# KiCad board [DFR1144][M027.00940](V1.0.0).kicad_pcb (continued)
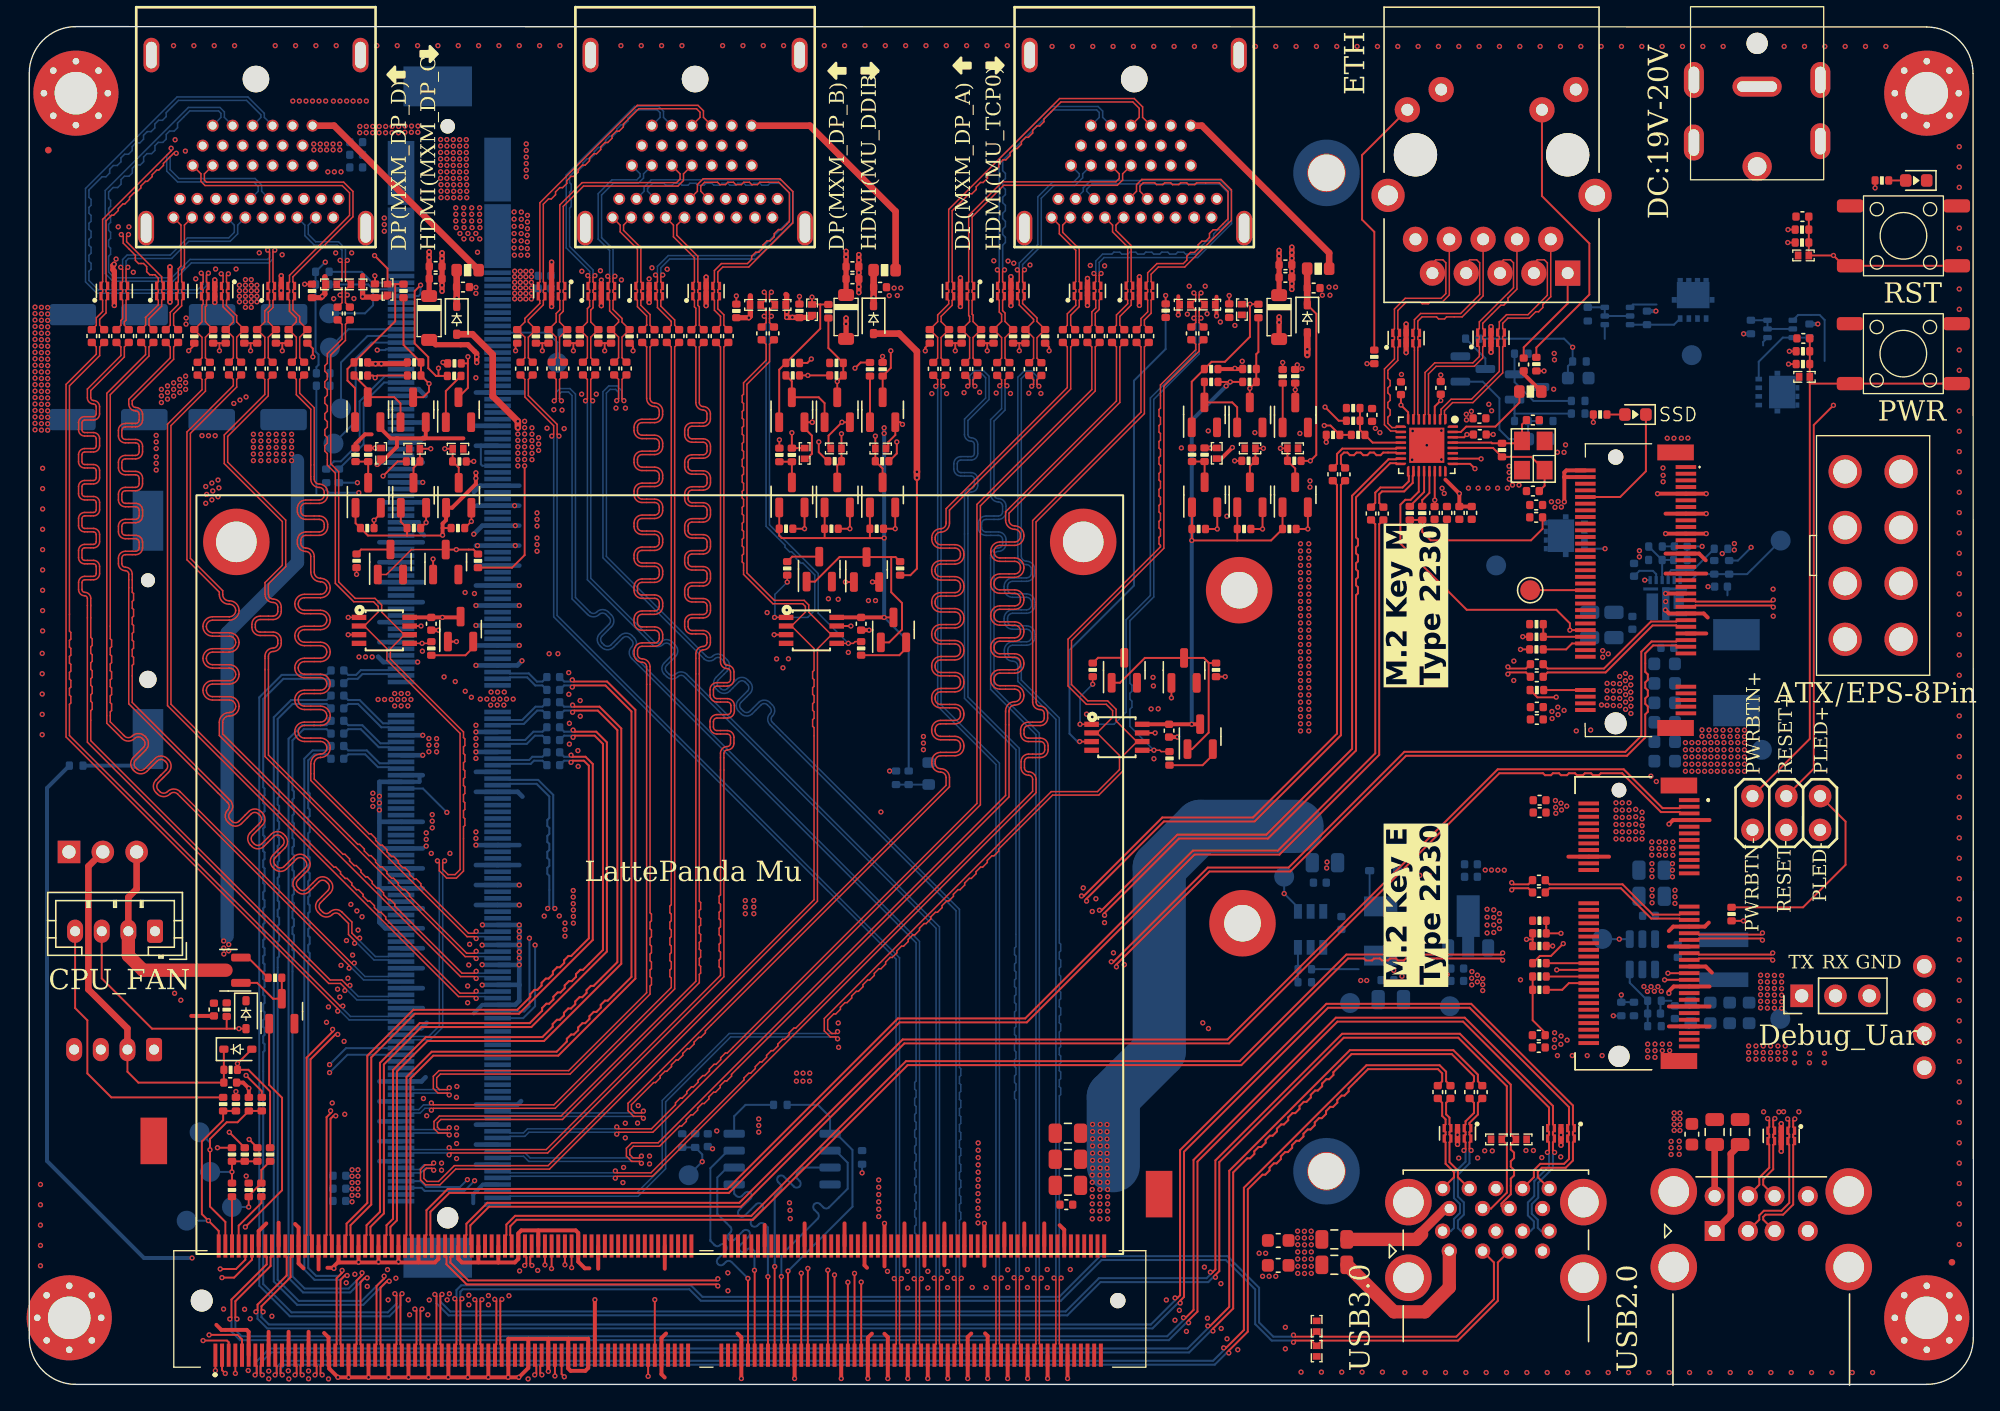
[diagram p0: board, top side]
## Routing (per net, layer and track width the routed paths; a pad name or vN(x,y) marks a point on that pad's centre or on a via; arc(x,y) is an arc through that point) (continued)
/HDMI+DPB/MXM_DPB_TX2_DP: length 97.2
  In1.SIG1 w0.117: C14.1 50.06,77.94 50.06,73.75 arc(50.22,73.36) 50.6,73.2 arc(50.81,73.12) 50.89,72.91 50.89,72.52 arc(50.81,72.32) 50.6,72.24 49.77,72.24 arc(49.38,72.07) 49.22,71.69 49.22,71.33 arc(49.38,70.94) 49.77,70.78 50.61,70.78 arc(50.81,70.69) 50.9,70.49 50.9,70.13 arc(50.81,69.92) 50.61,69.84 49.77,69.84 arc(49.38,69.67) 49.22,69.29 49.22,68.93 arc(49.38,68.54) 49.77,68.38 50.61,68.38 arc(50.81,68.29) 50.9,68.09 50.9,67.73 arc(50.81,67.52) 50.61,67.44 49.77,67.44 arc(49.38,67.27) 49.22,66.89 49.22,66.53 arc(49.38,66.14) 49.77,65.98 50.61,65.98 arc(50.81,65.89) 50.9,65.69 50.9,65.33 arc(50.81,65.12) 50.61,65.04 49.77,65.04 arc(49.38,64.87) 49.22,64.49 49.22,64.13 arc(49.38,63.74) 49.77,63.58 50.61,63.58 arc(50.81,63.49) 50.9,63.29 50.9,62.93 arc(50.81,62.72) 50.61,62.64 49.77,62.64 arc(49.38,62.47) 49.22,62.09 49.22,61.73 arc(49.38,61.34) 49.77,61.18 50.61,61.18 arc(50.81,61.09) 50.9,60.89 50.9,60.53 arc(50.81,60.32) 50.61,60.24 49.77,60.24 arc(49.38,60.07) 49.22,59.69 49.22,59.33 arc(49.38,58.94) 49.77,58.78 50.61,58.78 arc(50.81,58.69) 50.9,58.49 50.9,58.13 arc(50.81,57.92) 50.61,57.84 49.77,57.84 arc(49.38,57.67) 49.22,57.29 49.22,56.93 arc(49.38,56.54) 49.77,56.38 50.6,56.38 arc(50.81,56.29) 50.89,56.09 50.89,55.72 arc(50.81,55.52) 50.6,55.44 arc(50.22,55.28) 50.06,54.89 50.06,30.28 39.94,20.16 30.8,20.16 30.39,19.75 30.39,19.21 30.72,18.88 31.4,18.88 v1(31.54,18.74)
  In8.SIG4 w0.117: J11.260 28.75,18.76 28.87,18.88 31.4,18.88 v1(31.54,18.74)
/HDMI+DPB/MXM_DPB_TX3_DN: length 83.4
  In1.SIG1 w0.117: C17.1 51.91,77.94 51.91,54.28 arc(52.06,53.92) 52.41,53.77 arc(52.59,53.7) 52.66,53.52 52.66,52.97 arc(52.59,52.79) 52.41,52.72 51.64,52.72 arc(51.27,52.56) 51.12,52.19 51.12,51.78 arc(51.27,51.41) 51.64,51.26 52.43,51.26 arc(52.62,51.18) 52.69,50.99 52.69,50.58 arc(52.62,50.39) 52.43,50.32 51.64,50.32 arc(51.27,50.16) 51.12,49.79 51.12,49.38 arc(51.27,49.01) 51.64,48.86 52.41,48.86 arc(52.59,48.79) 52.66,48.61 52.66,48.17 arc(52.59,47.99) 52.41,47.92 arc(52.06,47.77) 51.91,47.41 51.91,36.77 51.8,36.67 51.8,36.17 51.91,36.07 51.91,35.57 51.8,35.47 51.8,34.97 51.91,34.87 51.91,34.37 51.8,34.27 51.8,33.77 51.91,33.67 51.91,33.17 51.8,33.07 51.8,32.57 51.91,32.47 51.91,31.97 51.8,31.87 51.8,31.37 51.91,31.27 51.91,30.73 38.82,17.64 31.67,17.64 v1(31.53,17.78)
  In8.SIG4 w0.117: J11.264 28.75,17.76 28.87,17.64 31.39,17.64 v1(31.53,17.78)
/HDMI+DPB/MXM_DPB_TX3_DP: length 83.4
  In1.SIG1 w0.117: v1(31.53,17.24) 31.67,17.38 38.93,17.38 52.16,30.62 52.16,47.41 arc(52.24,47.59) 52.41,47.66 arc(52.77,47.81) 52.92,48.17 52.92,48.61 arc(52.77,48.97) 52.41,49.12 51.64,49.12 arc(51.46,49.19) 51.38,49.38 51.38,49.79 arc(51.46,49.98) 51.64,50.06 52.43,50.06 arc(52.8,50.21) 52.95,50.58 52.95,50.99 arc(52.8,51.36) 52.43,51.52 51.64,51.52 arc(51.46,51.59) 51.38,51.78 51.38,52.19 arc(51.46,52.38) 51.64,52.46 52.41,52.46 arc(52.77,52.61) 52.92,52.97 52.92,53.52 arc(52.77,53.88) 52.41,54.03 arc(52.24,54.1) 52.16,54.28 52.16,77.94 C16.1
  In8.SIG4 w0.117: v1(31.53,17.24) 31.39,17.38 28.87,17.38 28.75,17.26 J11.266
/HDMI+DPB/TMDS_1_CK+: length 30.1
  In1.SIG1 w0.117: U11.H10 50.37,95.18 50.37,95.57 50.11,95.83 45.77,95.83 44.61,94.67 44.61,94.46 44.29,94.14 44.08,94.14 43.76,93.82 43.76,93.62 43.44,93.3 43.24,93.3 42.92,92.98 42.92,92.77 42.59,92.45 42.39,92.45 42.07,92.13 42.07,91.92 41.75,91.6 41.54,91.6 41.22,91.28 41.22,91.07 40.9,90.75 40.69,90.75 40.37,90.43 40.37,90.22 40.05,89.9 39.84,89.9 39.52,89.58 39.52,89.37 39.2,89.05 38.99,89.05 38.6,88.66 38.6,82.82 38.72,82.7 U12.4 38.72,82.33 38.6,82.21 38.6,82.05 38.72,81.93 U12.7 38.72,81.55 38.6,81.43 38.6,81.1 37.48,79.98 37.48,79.81 R96.1 37.48,78.67 37.48,77.12 C77.2
/HDMI+DPB/TMDS_1_CK-: length 30.1
  In1.SIG1 w0.117: U11.H12 50.63,95.18 50.63,95.67 50.22,96.09 45.66,96.09 38.34,88.77 38.34,82.82 38.22,82.7 U12.5 38.22,82.33 38.34,82.21 38.34,82.05 38.22,81.93 U12.6 38.22,81.55 38.34,81.43 38.34,81.21 37.22,80.08 37.22,79.81 R95.1 37.22,78.67 37.22,77.12 C78.2
/HDMI+DPB/TMDS_1_D0+: length 23.8
  In1.SIG1 w0.117: U11.H7 48.87,90.94 48.87,90.54 48.61,90.28 41.52,90.28 39.84,88.61 39.84,82.82 39.72,82.7 U12.2 39.72,82.33 39.84,82.21 39.84,82.05 39.72,81.93 U12.9 39.72,81.55 39.84,81.43 39.84,80.73 39.57,80.45 39.57,79.81 R98.1 39.57,78.67 39.57,77.12 C75.2
/HDMI+DPB/TMDS_1_D0-: length 23.8
  In1.SIG1 w0.117: U11.H9 49.13,90.94 49.13,90.44 48.71,90.02 41.62,90.02 40.1,88.5 40.1,82.82 40.22,82.7 U12.1 40.22,82.33 40.1,82.21 40.1,82.05 40.22,81.93 U12.10 40.22,81.55 40.1,81.43 40.1,80.62 39.82,80.34 39.82,79.81 R97.1 39.82,78.67 39.82,77.12 C76.2
/HDMI+DPB/TMDS_1_D1+: length 26.7
  In1.SIG1 w0.117: v1(42.48,83.3) 42.34,83.16 42.34,82.82 42.46,82.7 U13.9 42.46,82.33 42.34,82.21 42.34,82.05 42.46,81.93 U13.2 42.46,81.55 42.34,81.43 42.34,80.88 42.17,80.71 42.17,79.81 R156.1 42.17,78.67 42.17,77.12 C73.2
  In8.SIG4 w0.117: v1(42.48,83.3) 42.34,83.44 42.34,83.72 40.58,85.48 40.58,88.37 40.69,88.48 40.69,88.97 40.58,89.08 40.58,89.57 40.69,89.68 40.69,90.17 40.58,90.28 40.58,90.76 41.05,91.22 41.27,91.22 41.58,91.54 41.58,91.76 41.89,92.07 42.12,92.07 42.43,92.38 42.43,92.61 42.74,92.92 42.97,92.92 43.28,93.23 43.28,93.46 43.59,93.77 43.82,93.77 44.13,94.08 44.13,94.31 44.44,94.62 44.67,94.62 44.98,94.93 44.98,95.16 45.57,95.75 47.16,95.75 47.37,95.54 47.37,95.18 U11.H4
/HDMI+DPB/TMDS_1_D1-: length 26.7
  In1.SIG1 w0.117: v1(41.94,83.3) 42.08,83.16 42.08,82.82 41.96,82.7 U13.10 41.96,82.33 42.08,82.21 42.08,82.05 41.96,81.93 U13.1 41.96,81.55 42.08,81.43 42.08,80.99 41.91,80.82 41.91,79.81 R155.1 41.91,78.67 41.91,77.12 C74.2
  In8.SIG4 w0.117: v1(41.94,83.3) 42.08,83.44 42.08,83.62 40.32,85.38 40.32,90.86 45.46,96 47.27,96 47.63,95.64 47.63,95.18 U11.H6
/HDMI+DPB/TMDS_1_D2+: length 19
  In1.SIG1 w0.117: v1(43.44,83.25) 43.58,83.11 43.58,82.82 43.46,82.7 U13.7 43.46,82.33 43.58,82.21 43.58,82.05 43.46,81.93 U13.4 43.46,81.55 43.58,81.43 43.58,80.65 44.26,79.97 44.26,79.81 R159.1 44.26,78.67 44.26,77.13 C71.2
  In8.SIG4 w0.117: U11.H1 45.87,90.94 45.87,90.73 45.63,90.49 43.76,90.49 42.72,89.45 42.72,86.04 43.58,85.18 43.58,83.39 v1(43.44,83.25)
/HDMI+DPB/TMDS_1_D2-: length 19
  In1.SIG1 w0.117: v1(43.98,83.25) 43.84,83.11 43.84,82.82 43.96,82.7 U13.6 43.96,82.33 43.84,82.21 43.84,82.05 43.96,81.93 U13.5 43.96,81.55 43.84,81.43 43.84,80.75 44.51,80.08 44.51,79.81 R158.1 44.51,78.67 44.51,77.13 C72.2
  In8.SIG4 w0.117: U11.H3 46.13,90.94 46.13,90.63 45.74,90.23 43.86,90.23 42.98,89.35 42.98,86.14 43.84,85.28 43.84,83.39 v1(43.98,83.25)
/HDMI+DPB/TMDS_1_HPD: length 27
  In1.SIG1 w0.15: v1(57.27,71.49) R99.2 D17.2
  In6.SIG3 w0.15: U11.H19 57.44,91.56 59.36,89.64 59.36,73.58 v1(57.27,71.49)
/HDMI+DPB/TMDS_1_SCL: length 31
  In1.SIG1 w0.15: v1(60.99,71.42) D16.2 61,70.31 R157.2 60.68,69.03 Q16.3
  In6.SIG3 w0.15: U11.H15 53.49,92.3 57.12,92.3 59.66,89.76 59.66,72.75 v1(60.99,71.42)
/HDMI+DPB/TMDS_1_SDA: length 33
  In1.SIG1 w0.15: Q17.3 64.08,68.81 R160.2 D18.2 63.54,70.31 v1(63.54,71.24) 63.54,71.3
  In6.SIG3 w0.15: v1(63.54,71.24) 63.54,71.24 59.96,74.82 59.96,89.89 56.04,93.81 53.5,93.81 U11.H16
/HDMI+DPD/ACT_DONGLE_DET_DPD: length 16
  In1.SIG1 w0.117: Q31.3 28.69,62.71 26.82,60.84 Q29.1
  In1.SIG1 w0.15: v1(32.08,55.8) Q30.1 ; R133.2 33.36,62.71 v1(32.07,62.71) Q31.3
  In3.SIG2 w0.15: v1(32.08,55.8) 32.08,62.71
/HDMI+DPD/ACT_DONGLE_DET_DPD_N: length 50.4
  In1.SIG1 w0.15: v1(20.68,82.65) 21.22,82.65 R123.1 ; U23.7 v1(29.42,56.97) 29.42,56.97 ; Q31.1 30.33,62 v1(30.32,62) ; v1(23.95,56.32) 23.95,56.32 U23.3
  In3.SIG2 w0.15: U26.D13 18.82,86.25 20.68,84.39 v1(20.68,82.65) ; v1(23.95,56.32) 28.77,56.32 28.77,56.32 v1(29.42,56.97) 30.32,57.87 v1(30.32,62)
  In6.SIG3 w0.15: v1(20.68,82.65) 26.76,82.65 27.31,82.1 27.31,72.61 25.08,70.38 25.08,67.25 v1(30.32,62)
/HDMI+DPD/DPD_AUX+: length 45.3
  In1.SIG1 w0.117: U23.1 23.95,57.62 ; R131.1 v1(24.58,60.85) ; v1(23.34,84.44) 23.49,84.3 23.49,83.04 D26.2 23.49,82.23 23.49,81.98 v1(23.34,81.84) 23.49,81.7 23.49,81.26 ; 23.16,80.93 23.49,81.26
  In6.SIG3 w0.117: v1(23.34,81.84) 23.49,81.7 23.49,79.27 23.37,79.15 23.37,78.67 23.49,78.55 23.49,78.07 23.37,77.95 23.37,77.47 23.49,77.35 23.49,76.87 23.37,76.75 23.37,76.27 23.49,76.15 23.49,75.67 23.37,75.55 23.37,75.07 23.49,74.95 23.49,64.89 28.14,60.23 28.14,57.9 27.86,57.62 v1(23.95,57.62) 23.95,60.22 v1(24.58,60.85)
  In8.SIG4 w0.117: U26.D15 20.69,87.09 20.69,86.3 21.41,85.58 23.12,85.58 23.49,85.21 23.49,84.58 v1(23.34,84.44)
/HDMI+DPD/DPD_AUX-: length 40.1
  In1.SIG1 w0.117: U23.5 v1(29.5,55.67) 30.07,55.67 R132.1 ; v1(23.88,84.44) 23.74,84.3 23.74,83.04 D25.2 23.74,82.23 23.74,81.98 v1(23.88,81.84) 23.74,81.7 23.74,81.26 C124.2
  In6.SIG3 w0.117: v1(23.88,81.84) 23.74,81.7 23.74,65 28.4,60.34 28.4,56.77 v1(29.5,55.67)
  In8.SIG4 w0.117: U26.D17 20.95,87.09 20.95,86.4 21.51,85.84 23.22,85.84 23.74,85.32 23.74,84.58 v1(23.88,84.44)
/HDMI+DPD/DPD_D0+: length 9.3
  In1.SIG1 w0.117: U26.D1 11.39,87.09 11.39,84.02 11.19,83.81 11.19,82.84 11.06,82.72 U19.7 11.06,82.34 11.19,82.22 11.19,82.07 11.06,81.94 U19.4 11.06,81.57 11.19,81.45 11.19,81.13 10.58,80.53 10.58,79.57 C115.2
/HDMI+DPD/DPD_D0-: length 9.3
  In1.SIG1 w0.117: C116.2 10.84,79.57 10.84,80.42 11.44,81.02 11.44,81.45 11.56,81.57 U19.5 11.56,81.94 11.44,82.07 11.44,82.22 11.56,82.34 U19.6 11.56,82.72 11.44,82.84 11.44,83.7 11.65,83.91 11.65,87.09 U26.D3
/HDMI+DPD/DPD_D1+: length 25
  In1.SIG1 w0.117: v1(6.91,86.38) 7.05,86.24 7.05,85.74 7.97,84.82 7.97,84.63 7.97,84.63 7.97,84.44 8.2,84.21 8.39,84.21 8.39,84.21 8.58,84.21 8.82,83.97 8.82,83.78 8.81,83.78 8.81,83.59 9.05,83.36 9.24,83.36 9.43,83.36 9.69,83.1 9.69,82.84 9.56,82.72 U19.10 9.56,82.34 9.69,82.22 9.69,82.07 9.56,81.94 U19.1 9.56,81.57 9.69,81.45 9.69,81.11 8.73,80.15 8.73,79.57 C117.2
  In6.SIG3 w0.117: U26.D4 13.19,89.63 13.19,90.03 12.88,90.34 12.06,90.34 11.8,90.08 11.46,90.08 11.2,90.34 10.86,90.34 10.6,90.08 10.26,90.08 10,90.34 9.66,90.34 9.4,90.08 9.06,90.08 8.8,90.34 8.06,90.34 7.51,89.79 7.51,89.42 7.27,89.18 6.9,89.18 6.66,88.94 6.66,88.57 6.42,88.33 6.05,88.33 5.63,87.91 5.63,87.19 5.84,86.98 5.84,86.59 5.63,86.38 5.63,85.86 5.97,85.52 6.8,85.52 7.05,85.77 7.05,86.24 v1(6.91,86.38)
/HDMI+DPD/DPD_D1-: length 25
  In1.SIG1 w0.117: C118.2 8.99,79.57 8.99,80.05 9.94,81 9.94,81.45 10.06,81.57 U19.2 10.06,81.94 9.94,82.07 9.94,82.22 10.06,82.34 U19.9 10.06,82.72 9.94,82.84 9.94,83.21 7.31,85.84 7.31,86.24 v1(7.45,86.38)
  In6.SIG3 w0.117: v1(7.45,86.38) 7.31,86.24 7.31,85.67 6.9,85.26 5.87,85.26 5.37,85.76 5.37,88.01 7.96,90.6 12.98,90.6 13.45,90.13 13.45,89.63 U26.D6
/HDMI+DPD/DPD_D2+: length 16.4
  In1.SIG1 w0.117: C119.2 6.88,79.57 6.88,79.92 7.01,80.05 7.01,81.45 6.89,81.57 U20.4 6.89,81.94 7.01,82.07 7.01,82.22 6.89,82.34 U20.7 6.89,82.72 7.01,82.84 7.01,83.78 v1(6.87,83.92)
  In8.SIG4 w0.117: U26.D7 15.39,87.09 15.39,86.54 14.98,86.13 11.88,86.13 10.59,84.84 7.34,84.84 7.01,84.51 7.01,84.06 v1(6.87,83.92)
/HDMI+DPD/DPD_D2-: length 16.4
  In1.SIG1 w0.117: C120.2 7.14,79.57 7.14,79.82 7.27,79.95 7.27,81.45 7.39,81.57 U20.5 7.39,81.94 7.27,82.07 7.27,82.22 7.39,82.34 U20.6 7.39,82.72 7.27,82.84 7.27,83.78 v1(7.41,83.92)
  In8.SIG4 w0.117: v1(7.41,83.92) 7.27,84.06 7.27,84.4 7.45,84.58 10.69,84.58 11.98,85.87 15.09,85.87 15.65,86.44 15.65,87.09 U26.D9
/HDMI+DPD/DPD_D3+: length 26.7
  In1.SIG1 w0.117: v1(10.65,92.87) 10.65,92.67 5.51,87.52 5.51,82.84 5.39,82.72 U20.10 5.39,82.34 5.51,82.22 5.51,82.07 5.39,81.94 U20.1 5.39,81.57 5.51,81.45 5.51,80.6 5.03,80.12 5.03,79.57 C121.2
  In8.SIG4 w0.117: U26.D10 17.19,89.63 17.19,90 16.86,90.33 11.14,90.33 10.32,91.15 10.32,92.33 10.65,92.67 v1(10.65,92.87)
/HDMI+DPD/DPD_D3-: length 26.7
  In1.SIG1 w0.117: C122.2 5.29,79.57 5.29,80.01 5.77,80.49 5.77,81.45 5.89,81.57 U20.2 5.89,81.94 5.77,82.07 5.77,82.22 5.89,82.34 U20.9 5.89,82.72 5.77,82.84 5.77,87.41 6.18,87.83 6.33,87.83 6.68,88.18 6.68,88.33 7.03,88.68 7.18,88.68 7.53,89.03 7.53,89.18 7.88,89.53 8.03,89.53 8.38,89.88 8.38,90.03 8.73,90.38 8.87,90.38 9.23,90.73 9.23,90.87 9.58,91.23 9.72,91.23 10.07,91.58 10.07,91.72 10.84,92.48 v1(11.04,92.48)
  In8.SIG4 w0.117: U26.D12 17.45,89.63 17.45,90.1 16.96,90.59 11.24,90.59 10.58,91.25 10.58,92.23 10.84,92.48 v1(11.04,92.48)
/HDMI+DPD/DPD_HPD: length 22.6
  In1.SIG1 w0.15: 27.48,82.65 27.48,79.87 24.39,76.78 R122.1 23.9,76.28 23.9,75.41 24.47,74.84 Q22.1 ; 27.48,82.65 D27.2 26.9,83.83 v1(25.93,84.8) ; 27.48,82.65 28.1,82.65 R103.2
  In3.SIG2 w0.15: v1(25.93,84.8) 25.09,84.8 24.08,85.81 24.08,87.54 23.28,88.34 22.65,88.34 U26.D18
/HDMI+DPD/MXM_DPC_HPD: length 51.8
  In1.SIG1 w0.15: Q7.2 26.4,65.43 v1(25.89,64.92) R28.2
  In3.SIG2 w0.15: v1(22.55,24.02) 20.28,26.29 20.28,59.31 v1(25.89,64.92)
  In8.SIG4 w0.15: J11.234 23.79,25.26 v1(22.55,24.02)
/HDMI+DPD/MXM_DPC_SCL: length 47.5
  In1.SIG1 w0.15: Q8.2 v1(29.8,64.74) R29.2
  In3.SIG2 w0.15: v1(29.8,64.74) 30.36,65.3 33.33,65.3 37.99,60.65 v1(37.99,33)
  In8.SIG4 w0.15: v1(37.99,33) 37.99,28.41 37.09,27.51 J11.225
/HDMI+DPD/MXM_DPC_SDA: length 42.5
  In1.SIG1 w0.15: Q19.2 v1(33.2,64.83) R27.2
  In3.SIG2 w0.15: v1(33.2,64.83) 37.56,60.47 v1(37.56,33.52)
  In8.SIG4 w0.15: J11.223 37.17,28.01 37.56,28.4 v1(37.56,33.52)
/HDMI+DPD/MXM_DPC_TX0+: length 76.3
  In1.SIG1 w0.117: v1(33.56,33.49) 33.42,33.63 32.88,33.63 21.14,45.37 21.14,46.63 arc(21.35,47.14) 21.87,47.35 21.87,47.35 arc(22.2,47.49) 22.34,47.83 arc(22.2,48.16) 21.87,48.3 20.67,48.3 arc(20.15,48.51) 19.94,49.03 arc(20.15,49.54) 20.67,49.75 21.87,49.75 arc(22.2,49.89) 22.34,50.23 arc(22.2,50.56) 21.87,50.7 20.67,50.7 arc(20.15,50.91) 19.94,51.43 arc(20.15,51.94) 20.67,52.15 21.87,52.15 arc(22.2,52.29) 22.34,52.63 arc(22.2,52.96) 21.87,53.1 20.67,53.1 arc(20.15,53.31) 19.94,53.83 arc(20.15,54.34) 20.67,54.55 21.87,54.55 arc(22.2,54.69) 22.34,55.03 arc(22.2,55.36) 21.87,55.5 20.67,55.5 arc(20.15,55.71) 19.94,56.23 arc(20.15,56.74) 20.67,56.95 21.87,56.95 arc(22.2,57.09) 22.34,57.43 arc(22.2,57.76) 21.87,57.9 20.67,57.9 arc(20.15,58.11) 19.94,58.63 arc(20.15,59.14) 20.67,59.35 21.87,59.35 arc(22.2,59.49) 22.34,59.83 arc(22.2,60.16) 21.87,60.3 21.87,60.3 arc(21.35,60.51) 21.14,61.03 21.14,62.2 arc(21.03,62.46) 20.76,62.57 arc(20.32,62.76) 20.13,63.2 20.13,63.41 arc(20.32,63.85) 20.76,64.04 21.77,64.04 arc(22.04,64.15) 22.15,64.42 22.15,64.6 arc(22.04,64.87) 21.77,64.98 20.76,64.98 arc(20.31,65.17) 20.13,65.62 20.13,65.8 arc(20.31,66.25) 20.76,66.44 21.77,66.44 arc(22.04,66.55) 22.15,66.81 22.15,67.01 arc(22.04,67.27) 21.77,67.38 arc(21.33,67.57) 21.14,68.01 21.14,73.26 20.05,74.35 20.05,75.5 C83.1
  In8.SIG4 w0.117: J11.201 34.35,33.51 34.22,33.63 33.7,33.63 v1(33.56,33.49)
/HDMI+DPD/MXM_DPC_TX0-: length 76.3
  In1.SIG1 w0.117: C107.1 20.31,75.5 20.31,74.45 21.4,73.36 21.4,68.01 arc(21.51,67.75) 21.77,67.64 arc(22.22,67.45) 22.41,67.01 22.41,66.81 arc(22.22,66.37) 21.77,66.18 20.76,66.18 arc(20.5,66.07) 20.39,65.8 20.39,65.62 arc(20.5,65.35) 20.76,65.24 21.77,65.24 arc(22.22,65.05) 22.41,64.6 22.41,64.42 arc(22.22,63.97) 21.77,63.78 20.76,63.78 arc(20.5,63.67) 20.39,63.41 20.39,63.2 arc(20.5,62.94) 20.76,62.83 arc(21.21,62.64) 21.4,62.2 21.4,61.03 arc(21.53,60.69) 21.87,60.55 21.87,60.55 arc(22.39,60.34) 22.6,59.83 arc(22.39,59.31) 21.87,59.1 20.67,59.1 arc(20.33,58.96) 20.19,58.63 arc(20.33,58.29) 20.67,58.15 21.87,58.15 arc(22.39,57.94) 22.6,57.43 arc(22.39,56.91) 21.87,56.7 20.67,56.7 arc(20.33,56.56) 20.19,56.23 arc(20.33,55.89) 20.67,55.75 21.87,55.75 arc(22.39,55.54) 22.6,55.03 arc(22.39,54.51) 21.87,54.3 20.67,54.3 arc(20.33,54.16) 20.19,53.83 arc(20.33,53.49) 20.67,53.35 21.87,53.35 arc(22.39,53.14) 22.6,52.63 arc(22.39,52.11) 21.87,51.9 20.67,51.9 arc(20.33,51.76) 20.19,51.43 arc(20.33,51.09) 20.67,50.95 21.87,50.95 arc(22.39,50.74) 22.6,50.23 arc(22.39,49.71) 21.87,49.5 20.67,49.5 arc(20.33,49.36) 20.19,49.03 arc(20.33,48.69) 20.67,48.55 21.87,48.55 arc(22.39,48.34) 22.6,47.83 arc(22.39,47.31) 21.87,47.1 21.87,47.1 arc(21.53,46.96) 21.4,46.63 21.4,45.48 25.52,41.36 25.66,41.36 26.01,41.01 26.01,40.86 26.36,40.51 26.51,40.51 26.86,40.16 26.86,40.01 27.21,39.66 27.36,39.66 27.71,39.31 27.71,39.16 28.06,38.81 28.21,38.81 28.56,38.46 28.56,38.32 28.91,37.96 29.06,37.96 29.41,37.61 29.41,37.47 32.98,33.89 33.42,33.89 v1(33.56,34.03)
  In8.SIG4 w0.117: J11.199 34.35,34.01 34.22,33.89 33.7,33.89 v1(33.56,34.03)
/HDMI+DPD/MXM_DPC_TX1+: length 60.4
  In1.SIG1 w0.117: C108.1 17.69,75.49 17.69,74.37 14.64,71.32 14.64,69.18 19,64.82 19,61.53 17.7,60.23 17.7,59.35 arc(17.88,58.92) 18.31,58.74 arc(18.56,58.64) 18.66,58.39 18.66,58.07 arc(18.56,57.82) 18.31,57.71 17.34,57.71 arc(16.9,57.53) 16.72,57.09 16.72,56.88 arc(16.9,56.44) 17.34,56.26 18.31,56.26 arc(18.56,56.15) 18.66,55.9 18.66,55.67 arc(18.56,55.42) 18.31,55.31 arc(17.88,55.14) 17.7,54.7 17.7,47.17 32.74,32.13 33.42,32.13 v1(33.56,31.99)
  In8.SIG4 w0.117: v1(33.56,31.99) 33.7,32.13 34.22,32.13 34.35,32.01 J11.207
/HDMI+DPD/MXM_DPC_TX1-: length 60.4
  In1.SIG1 w0.117: C109.1 17.95,75.49 17.95,74.27 14.9,71.22 14.9,69.28 19.26,64.92 19.26,61.43 17.96,60.13 17.96,59.35 arc(18.06,59.1) 18.31,59 arc(18.74,58.82) 18.92,58.39 18.92,58.07 arc(18.74,57.64) 18.31,57.46 17.34,57.46 arc(17.08,57.35) 16.97,57.09 16.97,56.88 arc(17.08,56.62) 17.34,56.51 18.31,56.51 arc(18.74,56.34) 18.92,55.9 18.92,55.67 arc(18.74,55.24) 18.31,55.06 arc(18.06,54.95) 17.96,54.7 17.96,47.28 24.66,40.57 24.81,40.57 25.16,40.22 25.16,40.07 25.51,39.72 25.66,39.72 26.01,39.37 26.01,39.22 26.36,38.87 26.51,38.87 26.86,38.52 26.86,38.38 27.21,38.02 27.35,38.02 27.71,37.67 27.71,37.53 28.06,37.18 28.2,37.18 28.55,36.82 28.55,36.68 32.84,32.39 33.42,32.39 v1(33.56,32.53)
  In8.SIG4 w0.117: v1(33.56,32.53) 33.7,32.39 34.22,32.39 34.35,32.51 J11.205
/HDMI+DPD/MXM_DPC_TX2+: length 71.3
  In1.SIG1 w0.117: C110.1 15.32,75.5 15.32,75.03 11.84,71.55 11.84,61.95 14.27,59.52 14.27,59.34 arc(14.48,58.82) 15,58.61 15.03,58.61 arc(15.36,58.47) 15.5,58.14 arc(15.36,57.8) 15.03,57.67 13.77,57.67 arc(13.25,57.45) 13.04,56.94 arc(13.25,56.42) 13.77,56.21 15.03,56.21 arc(15.36,56.07) 15.5,55.74 arc(15.36,55.4) 15.03,55.27 13.77,55.27 arc(13.25,55.05) 13.04,54.54 arc(13.25,54.02) 13.77,53.81 15.03,53.81 arc(15.36,53.67) 15.5,53.34 arc(15.36,53) 15.03,52.87 13.77,52.87 arc(13.25,52.65) 13.04,52.14 arc(13.25,51.62) 13.77,51.41 15.03,51.41 arc(15.36,51.27) 15.5,50.94 arc(15.36,50.6) 15.03,50.47 15,50.47 arc(14.48,50.25) 14.27,49.74 14.27,48.75 32.39,30.63 33.42,30.63 v1(33.56,30.49)
  In8.SIG4 w0.117: v1(33.56,30.49) 33.7,30.63 34.22,30.63 34.35,30.51 J11.213
/HDMI+DPD/MXM_DPC_TX2-: length 71.3
  In1.SIG1 w0.117: C111.1 15.58,75.5 15.58,74.93 12.1,71.45 12.1,62.05 14.53,59.62 14.53,59.34 arc(14.66,59) 15,58.87 15.03,58.87 arc(15.54,58.65) 15.76,58.14 arc(15.54,57.62) 15.03,57.41 13.77,57.41 arc(13.43,57.27) 13.3,56.94 arc(13.43,56.6) 13.77,56.47 15.03,56.47 arc(15.54,56.25) 15.76,55.74 arc(15.54,55.22) 15.03,55.01 13.77,55.01 arc(13.43,54.87) 13.3,54.54 arc(13.43,54.2) 13.77,54.07 15.03,54.07 arc(15.54,53.85) 15.76,53.34 arc(15.54,52.82) 15.03,52.61 13.77,52.61 arc(13.43,52.47) 13.3,52.14 arc(13.43,51.8) 13.77,51.67 15.03,51.67 arc(15.54,51.45) 15.76,50.94 arc(15.54,50.42) 15.03,50.21 15,50.21 arc(14.66,50.07) 14.53,49.74 14.53,48.86 23.56,39.82 23.71,39.82 24.06,39.47 24.06,39.33 24.41,38.97 24.55,38.97 24.91,38.62 24.91,38.48 25.26,38.13 25.4,38.13 25.75,37.77 25.75,37.63 26.11,37.28 26.25,37.28 26.6,36.93 26.6,36.78 26.95,36.43 27.1,36.43 27.45,36.08 27.45,35.93 32.49,30.89 33.42,30.89 v1(33.56,31.03)
  In8.SIG4 w0.117: v1(33.56,31.03) 33.7,30.89 34.22,30.89 34.35,31.01 J11.211
/HDMI+DPD/MXM_DPC_TX3+: length 60.1
  In1.SIG1 w0.117: C112.1 12.97,75.49 12.97,74.72 10.38,72.13 10.38,50.99 32.24,29.13 33.42,29.13 v1(33.56,28.99)
  In8.SIG4 w0.117: J11.219 34.35,29.01 34.22,29.13 33.7,29.13 v1(33.56,28.99)
/HDMI+DPD/MXM_DPC_TX3-: length 60.1
  In1.SIG1 w0.117: v1(33.56,29.53) 33.42,29.39 32.34,29.39 26.77,34.97 26.77,35.11 26.42,35.46 26.27,35.46 25.92,35.82 25.92,35.96 25.57,36.31 25.42,36.31 25.07,36.66 25.07,36.81 24.72,37.16 24.57,37.16 24.22,37.51 24.22,37.66 23.87,38.01 23.72,38.01 23.37,38.36 23.37,38.51 23.02,38.86 22.88,38.86 10.64,51.1 10.64,72.03 13.23,74.62 13.23,75.49 C113.1
  In8.SIG4 w0.117: J11.217 34.35,29.51 34.22,29.39 33.7,29.39 v1(33.56,29.53)
/HDMI+DPD/MXM_DPD_AUX_N: length 67.9
  In1.SIG1 w0.117: v1(30.65,39.33) 30.79,39.19 30.79,38.59 31.34,38.04 32.08,38.04 32.61,38.57 32.61,41.89 32.71,42 32.71,42.49 32.61,42.6 32.61,43.09 32.71,43.2 32.71,43.69 32.61,43.8 32.61,44.29 32.71,44.4 32.71,44.89 32.61,45 32.61,45.49 32.71,45.6 32.71,46.09 32.61,46.2 32.61,46.69 32.71,46.8 32.71,47.29 32.61,47.4 32.61,47.89 32.71,48 32.71,48.49 32.61,48.6 32.61,49.01 27.12,54.51 27.12,55.26 28.18,56.32 U23.6 28.16,56.32 26.47,58.01 26.47,58.55 25.96,59.05 24.47,59.05 23.24,60.28 23.24,68.56 22.64,69.16 22.64,77.33 23.74,78.43 23.74,79.64 C124.1
  In8.SIG4 w0.117: v1(30.65,39.33) 30.79,39.19 30.79,26.93 30,26.14 28.87,26.14 28.75,26.26 J11.230
/HDMI+DPD/MXM_DPD_AUX_P: length 67.9
  In1.SIG1 w0.117: C123.1 23.49,79.64 23.49,78.54 22.38,77.43 22.38,76.71 22.19,76.52 22.19,76.11 22.38,75.92 22.38,75.51 22.19,75.32 22.19,74.91 22.38,74.72 22.38,74.31 22.19,74.12 22.19,73.71 22.38,73.52 22.38,73.11 22.19,72.92 22.19,72.51 22.38,72.32 22.38,71.91 22.19,71.72 22.19,71.31 22.38,71.12 22.38,70.71 22.19,70.52 22.19,70.11 22.38,69.92 22.38,69.06 22.98,68.46 22.98,60.18 24.37,58.79 25.86,58.79 26.21,58.44 26.21,58.03 25.15,56.97 U23.2 25.16,56.97 26.86,55.27 26.86,54.4 32.35,48.91 32.35,38.67 31.97,38.29 31.45,38.29 31.05,38.69 31.05,39.19 v1(31.19,39.33)
  In8.SIG4 w0.117: v1(31.19,39.33) 31.05,39.19 31.05,26.83 30.11,25.88 28.87,25.88 28.75,25.76 J11.232
/HDMI+DPD/MXM_DPD_HPD: length 84.5
  In1.SIG1 w0.15: Q21.3 29.59,74.16 30.02,74.59 v1(30.02,75.18) 29.42,75.78 R120.2 R119.1 28.1,78.09 R103.1
  In3.SIG2 w0.15: v1(22.55,23.42) 19.98,25.99 19.98,53.75 12.32,61.41 12.32,67.8 19.7,75.18 v1(30.02,75.18)
  In8.SIG4 w0.15: J11.236 23.89,24.76 v1(22.55,23.42)
/HDMI+DPD/MXM_DPD_TX0_DN: length 83.7
  In1.SIG1 w0.117: v1(24.81,33.52) 24.61,33.52 24.23,33.9 24.23,34.73 23.48,35.48 arc(23.03,35.67) 22.58,35.48 arc(22.3,35.37) 22.03,35.48 21.87,35.64 arc(21.76,35.91) 21.87,36.18 22.6,36.91 arc(22.79,37.37) 22.6,37.83 22.49,37.94 arc(22.03,38.13) 21.57,37.94 20.84,37.21 arc(20.56,37.09) 20.28,37.21 20.17,37.32 arc(20.06,37.6) 20.17,37.88 20.9,38.61 arc(21.09,39.07) 20.9,39.53 20.79,39.64 arc(20.33,39.83) 19.87,39.64 19.14,38.91 arc(18.86,38.79) 18.59,38.91 18.47,39.02 arc(18.36,39.3) 18.47,39.57 19.21,40.31 arc(19.4,40.77) 19.21,41.22 19.09,41.34 arc(18.63,41.53) 18.18,41.34 17.44,40.6 arc(17.17,40.49) 16.89,40.6 16.78,40.72 arc(16.66,40.99) 16.78,41.27 17.51,42 arc(17.7,42.46) 17.51,42.92 17.4,43.03 arc(16.94,43.22) 16.48,43.03 15.75,42.31 arc(15.48,42.19) 15.21,42.31 15.08,42.43 arc(14.97,42.7) 15.08,42.97 arc(15.27,43.43) 15.08,43.88 7.73,51.23 7.73,54.01 7.83,54.11 7.83,54.61 7.73,54.71 7.73,55.21 7.83,55.31 7.83,55.81 7.73,55.91 7.73,56.41 7.83,56.51 7.83,57.01 7.73,57.11 7.73,57.61 7.83,57.71 7.83,58.21 7.73,58.31 7.73,58.81 7.83,58.91 7.83,59.41 7.73,59.51 7.73,60.87 arc(7.58,61.24) 7.21,61.39 arc(7.03,61.46) 6.95,61.65 6.95,62.07 arc(7.03,62.25) 7.21,62.33 7.99,62.33 arc(8.36,62.48) 8.51,62.85 8.51,63.27 arc(8.36,63.64) 7.99,63.79 7.21,63.79 arc(7.03,63.86) 6.95,64.05 6.95,64.47 arc(7.03,64.65) 7.21,64.73 7.99,64.73 arc(8.36,64.88) 8.51,65.25 8.51,65.67 arc(8.36,66.04) 7.99,66.19 7.21,66.19 arc(7.03,66.26) 6.95,66.45 6.95,66.87 arc(7.03,67.05) 7.21,67.13 7.99,67.13 arc(8.36,67.28) 8.51,67.65 8.51,68.07 arc(8.36,68.44) 7.99,68.59 7.21,68.59 arc(7.03,68.66) 6.95,68.85 6.95,69.27 arc(7.03,69.45) 7.21,69.53 7.99,69.53 arc(8.36,69.68) 8.51,70.05 8.51,70.47 arc(8.36,70.84) 7.99,70.99 7.21,70.99 arc(7.03,71.06) 6.95,71.25 6.95,71.67 arc(7.03,71.85) 7.21,71.93 7.99,71.93 arc(8.36,72.08) 8.51,72.45 8.51,72.87 arc(8.36,73.24) 7.99,73.39 arc(7.8,73.46) 7.73,73.65 7.73,73.9 10.84,77.01 10.84,77.94 C116.1
  In8.SIG4 w0.117: v1(24.81,33.52) 24.81,33.32 25.99,32.14 26.97,32.14 27.1,32.26 J11.206
/HDMI+DPD/MXM_DPD_TX0_DP: length 83.7
  In1.SIG1 w0.117: v1(24.43,33.14) 24.43,33.34 23.97,33.8 23.97,34.63 23.3,35.3 arc(23.03,35.41) 22.76,35.3 arc(22.3,35.11) 21.85,35.3 21.69,35.46 arc(21.5,35.91) 21.69,36.37 22.42,37.09 arc(22.53,37.37) 22.42,37.65 22.31,37.76 arc(22.03,37.88) 21.75,37.76 21.02,37.03 arc(20.56,36.84) 20.1,37.03 19.99,37.14 arc(19.8,37.6) 19.99,38.06 20.72,38.79 arc(20.84,39.07) 20.72,39.34 20.61,39.46 arc(20.33,39.57) 20.06,39.46 19.32,38.72 arc(18.86,38.53) 18.41,38.72 18.29,38.84 arc(18.1,39.3) 18.29,39.75 19.03,40.49 arc(19.14,40.77) 19.03,41.04 18.91,41.16 arc(18.63,41.27) 18.36,41.16 17.62,40.42 arc(17.17,40.23) 16.71,40.42 16.59,40.54 arc(16.4,40.99) 16.59,41.45 17.33,42.19 arc(17.44,42.46) 17.33,42.74 17.21,42.85 arc(16.94,42.97) 16.66,42.85 15.93,42.12 arc(15.48,41.94) 15.03,42.12 14.9,42.25 arc(14.71,42.7) 14.9,43.15 arc(15.01,43.43) 14.9,43.7 14.17,44.43 7.47,51.13 7.47,60.87 arc(7.4,61.05) 7.21,61.13 arc(6.84,61.28) 6.69,61.65 6.69,62.07 arc(6.84,62.44) 7.21,62.59 7.99,62.59 arc(8.17,62.66) 8.25,62.85 8.25,63.27 arc(8.17,63.45) 7.99,63.53 7.21,63.53 arc(6.84,63.68) 6.69,64.05 6.69,64.47 arc(6.84,64.84) 7.21,64.99 7.99,64.99 arc(8.17,65.06) 8.25,65.25 8.25,65.67 arc(8.17,65.85) 7.99,65.93 7.21,65.93 arc(6.84,66.08) 6.69,66.45 6.69,66.87 arc(6.84,67.24) 7.21,67.39 7.99,67.39 arc(8.17,67.46) 8.25,67.65 8.25,68.07 arc(8.17,68.25) 7.99,68.33 7.21,68.33 arc(6.84,68.48) 6.69,68.85 6.69,69.27 arc(6.84,69.64) 7.21,69.79 7.99,69.79 arc(8.17,69.86) 8.25,70.05 8.25,70.47 arc(8.17,70.65) 7.99,70.73 7.21,70.73 arc(6.84,70.88) 6.69,71.25 6.69,71.67 arc(6.84,72.04) 7.21,72.19 7.99,72.19 arc(8.17,72.26) 8.25,72.45 8.25,72.87 arc(8.17,73.05) 7.99,73.13 arc(7.62,73.28) 7.47,73.65 7.47,74 10.58,77.12 10.58,77.94 C115.1